# Altium PCB Discharge_B2.PcbDoc (part 1 of 2) (continued)
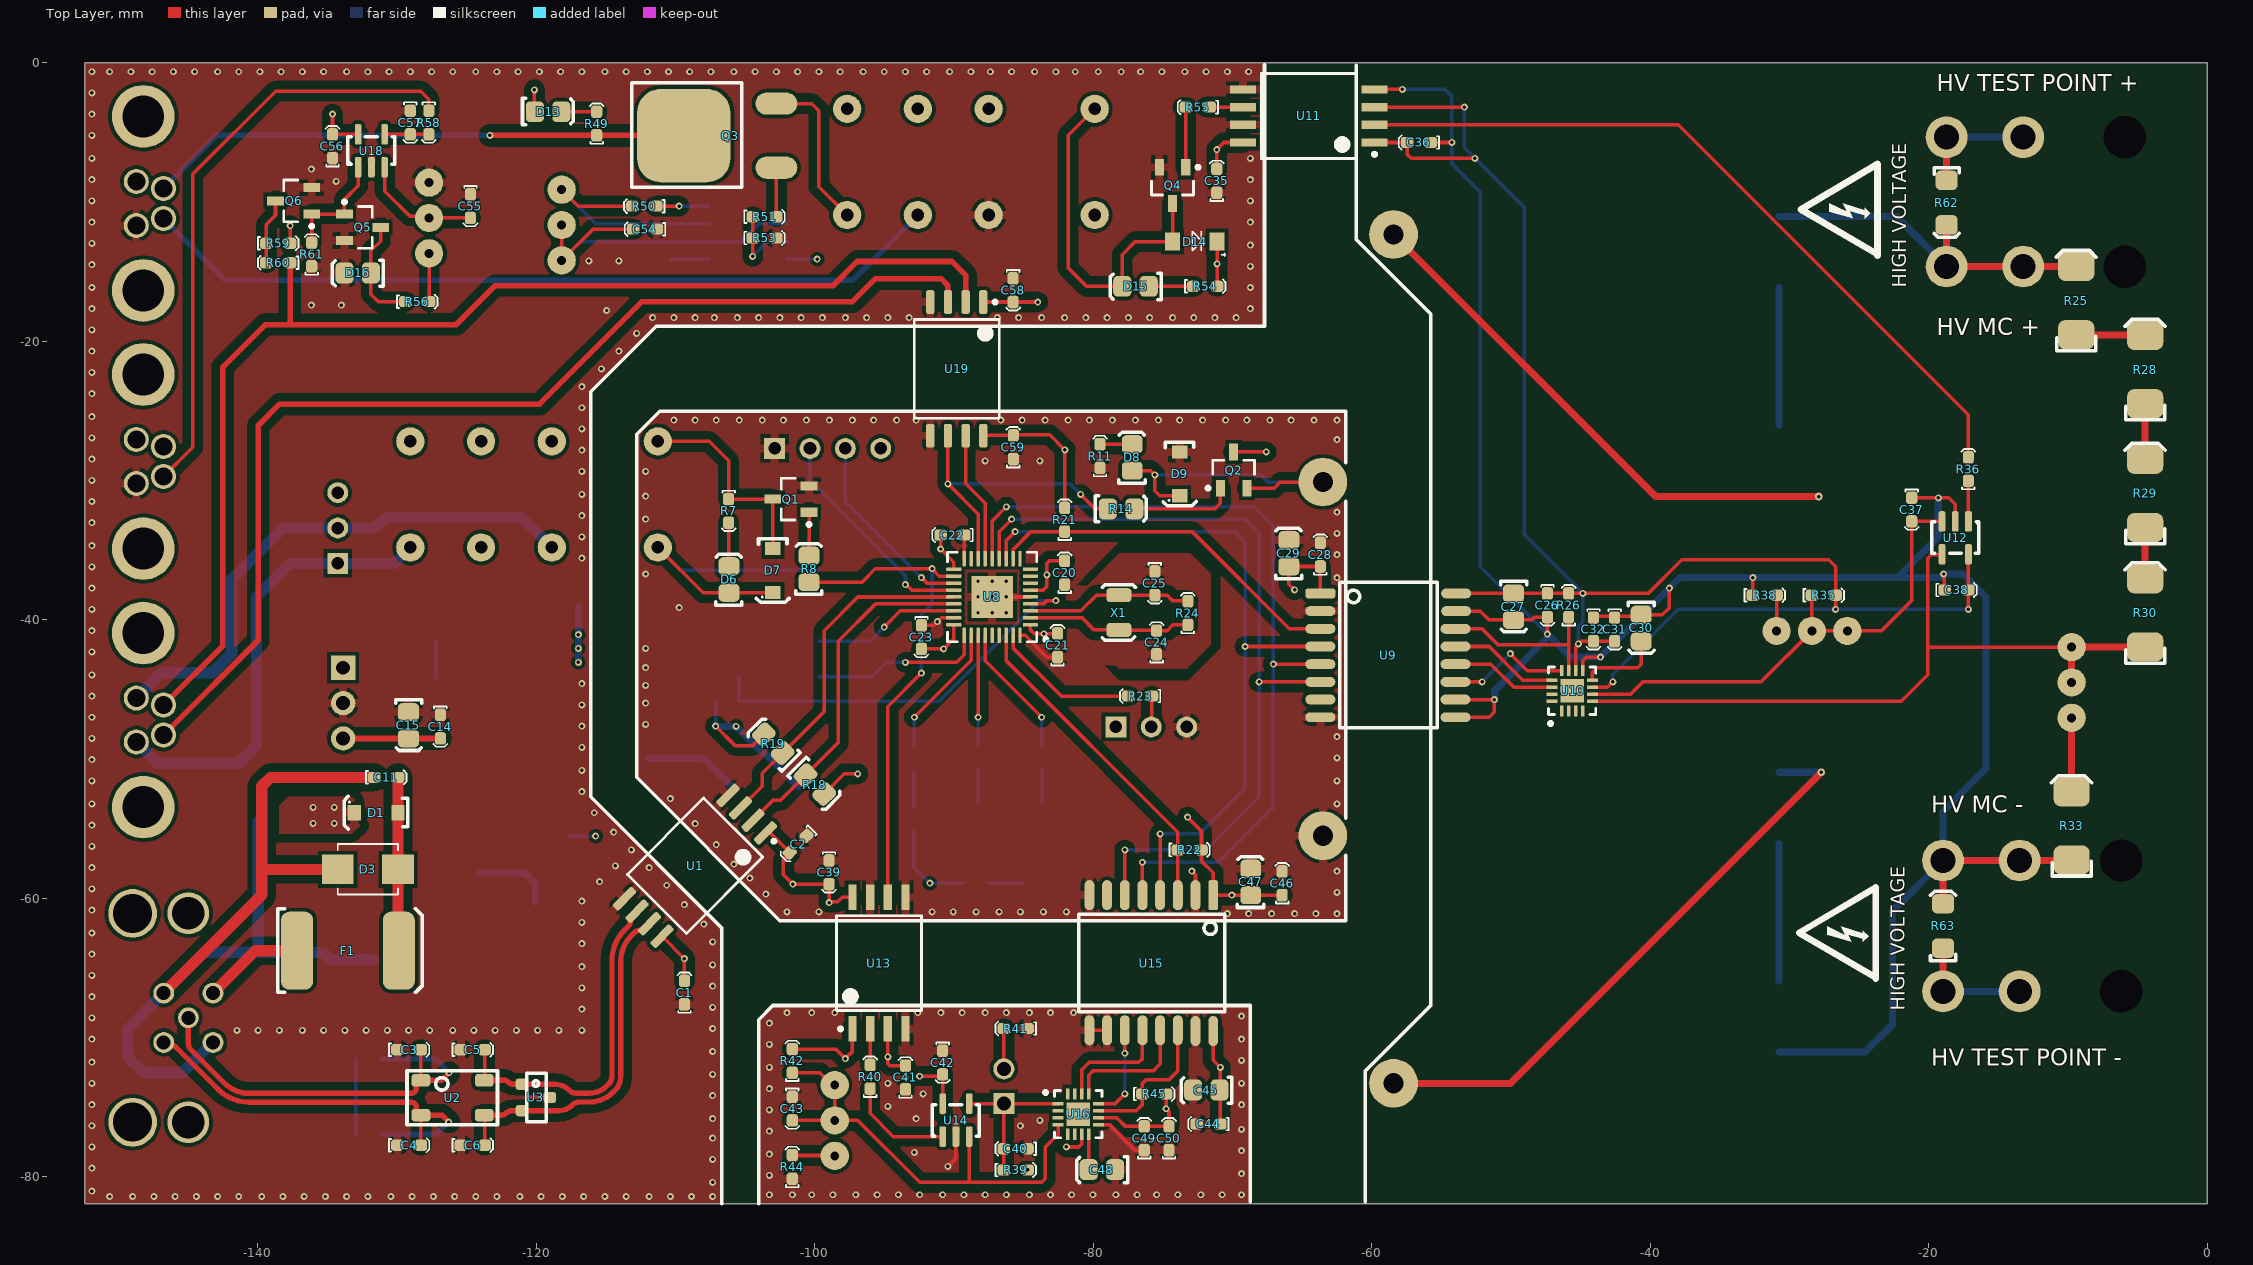
[diagram p0: Top Layer view]
## Classes and differential pairs
component class TopLevel: P1 P2 P3 P4 P5 P11 P12 P13 R62 R63
component class Isolation: C58 C59 U19
component class "5kW Circuit": C55 C56 C57 D16 Q5 Q6 R56 R57 R58 R59 R60 R61 U18
component class TSAL: C53 C54 D13 D14 D15 K2 K? Q3 Q4 R49 R50 R51 R52 R53 R54 R55 U17
component class "Safety Loop": D6 D7 K1 P6 Q1 R7 R8
component class "Power Supply": C8 C9 C10 C11 C12 C13 C14 C15 C19 D1 D2 D3 D4 D5 F1 L1 L2 R3 R5 R6 U4 U5 U6
component class PDOC: C39 C40 C41 C42 C43 C44 C45 C46 C47 C48 C49 C50 P10 "PDOC NTC1" R39 R40 R41 R42 R43 R44 R45 U13 U14 U15 U16
component class Microcontroller: C20 C21 C22 C23 C24 C25 D10 D11 D12 P7 P8 P9 R15 R16 R17 R18 R19 R20 R21 R22 R23 R24 U8 X1
component class "HV SENSE": C26 C27 C28 C29 C30 C31 C32 C35 C36 C37 C38 R25 R26 R28 R29 R30 R31 R33 R35 R36 R37 R38 U9 U10 U11 U12
component class Discharge: D8 D9 Q2 R9 R10 R11 R12 R13 R14 U7
component class CAN: C1 C2 C3 C4 C5 C6 C7 R1 R2 TP1 TP2 U1 U2 U3
differential pair CAN1_F: +CAN1_F_P -CAN1_F_N
differential pair CAN1: +CAN1_P -CAN1_N

## Components (designator, comment, footprint, x,y, rotation, side; value= is the part's Value field where it differs from the comment)
C1 "100nF" 0603 -109.347,-67.613 r90 top
C2 "100nF" 0603 -100.584,-55.499 r225 top
C3 "100pF" 0603 -129.97,-70.866 r0 top
C4 "100pF" 0603 -129.97,-77.724 r0 top
C5 "100pF" 0603 -125.398,-70.866 r0 top
C6 "100pF" 0603 -125.398,-77.724 r0 top
C7 "22uF" 0805 -132.016,-74.237 r180 bottom
C8 "10uF" 0805 -120.015,-61.214 r90 bottom
C9 "10uF" 0805 -128.116,-49.729 r180 bottom
C10 "100nF" 0603 -127.354,-46.863 r180 bottom
C11 "100nF" 0603 -131.615,-51.308 r0 top
C12 "100nF" 0603 -139.954,-54.483 r0 bottom
C13 "47uF" "CHEMI-CON ELCO" -137.795,-61.214 r90 bottom
C14 "100nF" 0603 -126.873,-46.814 r270 top
C15 "22uF" 0805 -129.138,-47.576 r270 top
C19 "4.7uF" "1206 CAP" -101.346,-52.324 r45 bottom
C20 "100nF" 0603 -82.042,-37.465 r90 top
C21 "100nF" 0603 -82.55,-42.672 r90 top
C22 "100nF" 0603 -89.249,-33.909 r180 top
C23 "100nF" 0603 -92.329,-40.386 r270 top
C24 "22pF" 0603 -75.438,-42.467 r90 top
C25 "22pF" 0603 -75.565,-36.521 r270 top
C26 "100nF" 0603 -47.371,-38.1 r270 top
C27 "10uF" 0805 -49.784,-39.062 r270 top
C28 "100nF" 0603 -63.678,-36.165 r90 top
C29 "10uF" 0805 -65.964,-35.203 r90 top
C30 "1µF" 0805 -40.614,-40.591 r270 top
C31 "100nF" 0603 -42.545,-39.829 r270 top
C32 "100nF" 0603 -44.069,-39.829 r270 top
C35 "100nF" 0603 -71.12,-9.32 r90 top
C36 "100nF" 0603 -55.753,-5.715 r180 top
C37 "100nF" 0603 -21.209,-31.231 r270 top
C38 "100nF" 0603 -18.845,-37.846 r0 top
C39 "100nF" 0603 -98.959,-57.277 r270 top
C40 "100nF" 0603 -84.709,-77.978 r180 top
C41 "100nF" 0603 -93.472,-73.709 r90 top
C42 "100nF" 0603 -90.805,-70.944 r270 top
C43 "100nF" 0603 -101.6,-74.246 r270 top
C44 "100nF" 0603 -70.866,-76.2 r180 top
C45 "10uF" 0805 -71.882,-73.787 r180 top
C46 "100nF" 0603 -66.421,-59.766 r90 top
C47 "10uF" 0805 -68.707,-58.804 r90 top
C48 "1µF" 0805 -79.375,-79.502 r180 top
C49 "100nF" 0603 -76.327,-78.076 r90 top
C50 "100nF" 0603 -74.549,-78.076 r90 top
C53 "100nF" 0603 -112.014,-14.097 r0 bottom
C54 "22pF" 0603 -111.33,-11.938 r180 top
C55 "100nF" 0603 -124.714,-9.435 r270 top
C56 "100nF" 0603 -134.62,-6.831 r90 top
C57 "10nF" 0603 -129.032,-3.431 r270 top
C58 "100nF" 0603 -85.743,-15.471 r270 top
C59 "100nF" 0603 -85.725,-28.448 r90 top
D1 "PMEG100T10ELR-QX" SODFL350X110-2N -131.49,-53.848 r0 top
D2 "Red" "0805 LED" -128.092,-44.196 r0 bottom
D3 "SM6T39CAY" SM6T39CAY-Footprint-1 -132.086,-57.912 r0 top
D4 "Red" "0805 LED" -118.515,-55.499 r180 bottom
D5 "Red" "0805 LED" -88.392,-58.928 r0 bottom
D6 "Green" "0805 LED" -106.172,-37.084 r90 top
D7 "PMEG100T10ELR-QX" SODFL350X110-2N -102.997,-36.449 r90 top
D8 "Green" "0805 LED" -77.216,-28.321 r90 top
D9 "PMEG100T10ELR-QX" SODFL350X110-2N -73.787,-29.515 r90 top
D10 "Yellow" "0805 LED" -92.837,-49.99 r90 bottom
D11 "Yellow" "0805 LED" -88.26,-54.102 r270 bottom
D12 "Yellow" "0805 LED" -83.693,-54.102 r270 bottom
D13 "Red" "0805 LED" -119.126,-3.481 r0 top
D14 "PMEG100T10ELR-QX" "NXP SOD123W" -72.695,-12.827 r180 top
D15 "Orange" "0805 LED" -76.966,-16.069 r180 top
D16 "Green" "0805 LED" -132.823,-15.113 r180 top
F1 "0ZCF0100AF2A" 2920 -137.16,-63.754 r0 top
K1 "V23105A5475A201" "TI 2-DIL" -120.142,-30.988 r180 bottom
K2 "V23105A5475A201" "TI 2-DIL" -88.773,-7.112 r180 bottom
L1 "12uH" 1812 -127.254,-53.848 r0 bottom
L2 "47 uH" 82473C -105.746,-51.517 r225 bottom
P1 "HPC-05PMMP-SF8001" T4145015041-001 -144.971,-68.573 r90 bottom
P2 "39300020" 39300020 -13.208,-5.334 r270 bottom
P3 "39300020" 39300020 -13.462,-66.675 r270 bottom
P4 "39300020" 39300020 -13.208,-14.622 r270 bottom
P5 "39300020" 39300020 -13.462,-57.277 r270 bottom
P6 "2.54mm" "TH 2.54mm Header 1x3" -134.239,-35.941 r90 bottom
P7 "2.54mm" "TH 2.54mm Header 2x5" -102.741,-39.069 r90 bottom
P8 "2.54mm" "TH 2.54mm Header 1x4" -102.87,-27.686 r0 bottom
P9 "2.54mm" "TH 2.54mm Header 1x3" -78.359,-47.689 r0 bottom
P10 "B2B-XH-A(LF)(SN)" "XH 2 PIN VERT" -86.536,-73.491 r90 bottom
P11 "M8S-04PFFR" M8S-04PFFR -146.759,-9.017 r270 bottom
P12 "M8S-04PFFR" M8S-04PFFR -146.759,-27.551 r270 bottom
P13 "M8S-04PFFR" M8S-04PFFR -146.759,-46.118 r270 bottom
Q1 "SQ2308CES-T1_GE3" "VSHY SOT-23-3" -101.697,-31.32 r180 top
Q2 "SQ2308CES-T1_GE3" "VSHY SOT-23-3" -69.911,-29.24 r90 top
Q3 "STD70N10F4" "STM TO-252 MOSFET" -109.743,-5.171 r270 top
Q4 "SQ2308CES-T1_GE3" "VSHY SOT-23-3" -74.295,-8.793 r270 top
Q5 "SQ2308CES-T1_GE3" "VSHY SOT-23-3" -132.461,-11.806 r0 top
Q6 "SQ2308CES-T1_GE3" "VSHY SOT-23-3" -137.414,-9.906 r180 top
R1 "56R" 0805 -131.992,-76.962 r0 bottom
R2 "56R" 0805 -132.016,-71.501 r180 bottom
R3 "20K" 0603 -128.854,-41.529 r0 bottom
R5 "2K" 0603 -117.753,-53.34 r180 bottom
R6 "1k" 0603 -83.312,-58.902 r180 bottom
R7 "1k" 0603 -106.172,-31.32 r270 top
R8 "100R" 0805 -100.423,-36.322 r90 top
R9 "PWR263S-35-1001J" "B TO-263" -40.937,-13.593 r270 bottom value=1k
R10 "PWR263S-35-1001J" "B TO-263" -40.937,-28.593 r270 bottom value=1k
R11 "1k" 0603 -79.502,-29.083 r90 top
R12 "PWR263S-35-1001J" "B TO-263" -40.937,-53.492 r270 bottom value=1k
R13 "PWR263S-35-1001J" "B TO-263" -40.937,-68.492 r270 bottom value=1k
R14 "100R" 0805 -77.978,-32.004 r0 top
R15 "500R" 0603 -92.863,-53.467 r270 bottom
R16 "500R" 0603 -88.249,-50.673 r90 bottom
R17 "500R" 0603 -83.693,-50.673 r90 bottom
R18 "5.1k" 0805 -99.949,-51.816 r315 top
R19 "5.1k" 0805 -102.997,-48.895 r135 top
R20 "10k" 0603 -105.41,-45.847 r180 bottom
R21 "1.2k" 0603 -82.042,-33.655 r90 top
R22 "1.2k" 0603 -73.914,-56.515 r0 top
R23 "10k" 0603 -75.77,-45.466 r180 top
R24 "10M" 0603 -73.196,-40.36 r90 top
R25 "330K" "VB 0207" -9.398,-17.272 r90 top
R26 "1.2k" 0603 -45.847,-39.8 r90 top
R28 "330K" "VB 0207" -4.445,-22.225 r90 top
R29 "330K" "VB 0207" -4.445,-31.115 r90 top
R30 "330K" "VB 0207" -4.445,-39.701 r90 top
R31 "10K (Var)" "B 3296" -9.169,-44.405 r90 bottom
R33 "10K" "VB 0207" -9.728,-54.991 r90 top
R35 "10k" 0603 -28.377,-38.227 r0 top
R36 "1k" 0603 -17.145,-30.021 r90 top
R37 "10K (Var)" "B 3296" -28.463,-40.234 r180 bottom
R38 "10k" 0603 -32.617,-38.227 r0 top
R39 "2K" 0603 -86.409,-79.502 r0 top
R40 "1k" 0603 -96.012,-73.66 r90 top
R41 "10k" 0603 -84.709,-69.342 r180 top
R42 "10k" 0603 -101.6,-72.517 r90 top
R43 "10K (Var)" "B 3296" -99.111,-76.032 r270 bottom
R44 "10k" 0603 -101.6,-80.137 r90 top
R45 "1.2k" 0603 -76.454,-74.041 r0 top
R49 "1k" 0603 -115.648,-5.207 r90 top
R50 "5.1k" 0603 -111.379,-10.287 r180 top
R51 "10R" 0603 -104.443,-11.049 r0 top
R52 "10K (Var)" "B 3296" -117.602,-11.557 r90 bottom
R53 "20K" 0603 -104.443,-12.573 r0 top
R54 "1k" 0603 -72.795,-16.043 r0 top
R55 "10R" 0603 -71.628,-3.175 r180 top
R56 "2K" 0603 -129.386,-17.145 r0 top
R57 "10K (Var)" "B 3296" -127.127,-11.049 r90 bottom
R58 "10k" 0603 -127.701,-3.431 r270 top
R59 "1k" 0603 -139.368,-12.954 r0 top
R60 "1k" 0603 -137.668,-14.351 r180 top
R61 "20K" 0603 -136.114,-14.605 r90 top
R62 "MMA02040C1503FB300" "VB 0204" -18.708,-10.033 r270 top value=150K
R63 "MMA02040C1503FB300" "VB 0204" -18.962,-61.976 r90 top value=150K
U1 "ISO1042" TI-SOIC-8 -108.585,-57.658 r225 top
U2 "B82787C0104H002" "TDK 4-PC Pad" -128.27,-73.065 r0 top value="100µH @ 100kHz"
U3 "NUP2105L" "ON SOT-23" -120.015,-74.295 r270 top
U4 "744272121" "Wurth 4-PC Pad" -124.079,-64.386 r180 bottom value="120uH @ 100kHz"
U5 "R-78C5.0-1.0" "RECOM 3-SIP" -133.858,-43.434 r270 bottom
U6 "R2S-053.3/P" "RECOM 8-SMD (5 Pin)" -115.697,-44.45 r0 bottom
U7 "3350-4275-056" "CI SPST" -63.5,-42.799 r90 bottom
U8 "STM32F103T8U6" STM_QFN-36 -87.249,-38.354 r180 top
U9 "ADUM5401" "AD 16-SOIC" -58.801,-43.815 r270 top
U10 "ADS7028" WFQN-16 -45.597,-45.089 r90 top
U11 "ADuM210N" SOIC-8W -64.516,-3.81 r180 top
U12 "TS391ILT" "ON SOT-23-5" -16.512,-31.956 r180 top
U13 "ADuM210N" SOIC-8W -95.377,-64.643 r90 top
U14 "TS391ILT" "ON SOT-23-5" -91.425,-78.078 r0 top
U15 "ADUM5401" "AD 16-SOIC" -77.089,-64.643 r180 top
U16 "ADS7028" WFQN-16 -81.063,-75.491 r0 top
U17 "NE555DR" "TI 8-SOIC" -111.658,-12.827 r180 bottom
U18 "TLV7031-Q1" "TI SOT-23-5" -132.776,-7.493 r0 top
U19 "ADuM225N" AD-SOIC-8W -89.789,-21.971 r270 top
X1 "32.768kHz" "EPSON 2-SMD" -78.149,-39.471 r90 top

## Footprints (in the part's own frame and the unit in brackets; to place one, negate y for a bottom-side part, rotate by r counter-clockwise, add the part's x,y. Pads: shape width x height; smd on the part's side, far side on the other; paste and mask are expansions set on the pad)
0603 [mm]
  rrect50% 0.9x0.8 smd: 1(0,0) 2(1.7,0)
  silkscreen extent -0.6,-0.5 2.3,0.5, body extent 0.05,-0.42 1.65,0.43, height 0.6
0805 [mm]
  rrect50% 1.3x1.5 smd: 1(-0.962,-0.026) 2(0.938,-0.026)
  silkscreen extent -1.85,-0.95 1.8,0.93, body extent -1,-0.65 1,0.66, height 0.73
"0805 LED" [mm]
  rrect50% 1.3x1.5 smd: A(-0.962,-0.026) K(0.938,-0.026)
  silkscreen extent -1.85,-0.95 1.8,0.93, body extent -1.09,-0.63 0.91,0.63, height 1
"1206 CAP" [mm]
  rrect50% 1.8x1.8 smd: 1(-2.81,0) 2(0.44,0)
  silkscreen extent -3.99,-1.09 1.62,1.09, body extent -2.75,-0.79 0.45,0.81, height 1.61
1812 [mm]
  rrect50% 2.2x3.5 smd: 1(-1.8,0) 2(1.8,0)
  silkscreen extent -3.25,-1.75 3.25,1.75, body extent -2.25,-1.6 2.25,1.6, height 2.5
2920 [mm]
  rrect50% 2.3x5.6 smd: 1(0,0) 2(7.3,0)
  silkscreen extent -1.4,-3 9,3, body extent -0.34,-2.81 7.64,2.81, height 1.14
82473C [mm]
  rrect50% 1.8x3.05 smd: 1(-2.81,0) 2(0.44,0)
  silkscreen extent -3.99,-1.68 1.62,1.73, body extent -2.81,-1.25 0.45,1.26, height 2
39300020 [mm]
  round 3 hole 1.8: 1(0,0) 2(0,5.5)
  round 1.524 hole 3.05: ""(0,-7.3)
  body extent -2.7,-13.97 3.1,5.97, height 11.4
"AD 16-SOIC" [mil]
  rrect50% 28x85 smd: 1(-225,-192.02)
  oval 28x85 smd: 2(-175,-192.02) 3(-125,-192.02) 4(-75,-192.02) 5(-25,-192.02) 6(25,-192.02) 7(75,-192.02) 8(125,-192.02) 9(125,190) 10(75,189.96) 11(25,189.96) 12(-25,189.96) 13(-75,189.96) 14(-125,189.96) 15(-175,191.98) 16(-225,191.98)
  silkscreen extent -257,-138 155,138, body extent -256,-209 156,209, height 104
AD-SOIC-8W [mm]
  rrect50% 1.7x0.6 smd: 1(-4.8,1.905) 2(-4.8,0.635) 3(-4.8,-0.635) 4(-4.8,-1.905) 5(4.8,-1.905) 6(4.8,-0.635) 7(4.8,0.635) 8(4.8,1.905)
  silkscreen extent -4.92,-3.05 3.55,3.05, body extent -5.16,-3.05 5.16,3.05, height 2.65
"B 3296" [mil]
  round 80 hole 25.2: 1(-103.39,-22) 2(-3.39,-22) 3(96.61,-22)
  silkscreen extent -193,-97 187,143, body extent -191,-97 184,143, height 455
"B TO-263" [mm]
  rrect50% 2x3.8 smd: 1(-2.55,-10.2) 2(2.55,-10.2)
  rrect50% 12.7x11.4 smd: ""(0,0)
  silkscreen extent -6.8,-10.56 6.75,6.1, body extent -5.19,-11.02 5.45,4.83, height 4.8
"CHEMI-CON ELCO" [mm]
  rect 3.55x1.85 smd: 1(-2.65,0) 2(2.65,0)
  silkscreen extent -4.43,-3.3 3.3,3.3, body extent -3.7,-3.4 3.7,3.4, height 6.1
"CI SPST" [mm]
  round 3.5 hole 1.45: 1(30.48,5.08) 2(12.7,0) 3(-12.7,0) 4(-30.48,5.08)
  silkscreen extent -38.73,-8.26 38.73,13.97, body extent -38.1,-4.45 38.1,13.34, height 20.57
"EPSON 2-SMD" [mm]
  rrect50% 1x1.8 smd: 1(-1.25,0) 2(1.25,0)
  silkscreen extent -2,-1.2 2,1.2, body extent -1.5,-1 1.5,1, height 1
M8S-04PFFR [mm]
  round 1.8 hole 1.3: 1(0,0) 2(2.15,0) 3(-0.5,1.95) 4(2.65,1.95)
  round 4.5 hole 3: MH1(-5.175,1.45) MH2(7.325,1.45)
  silkscreen extent -2.93,-0.3 5.07,-0.3, body extent -5.26,-0.51 7.54,19.64, height 12.85
"NXP SOD123W" [mm]
  rect 1.1x1.3 smd: A(1.6,0) K(-1.6,0)
  silkscreen extent -2.2,-0.73 0.2,1.04, body extent -1.75,-0.95 1.75,0.95, height 1.1
"ON SOT-23" [mm] "NUP2105L"
  rrect50% 0.8x0.9 smd: 1(-0.95,-1) 2(0.95,-1) 3(0,1)
  silkscreen extent -1.75,-0.65 1.75,0.75, body extent -1.5,-1.27 1.5,1.28, height 1
"ON SOT-23-5" [mil]
  rrect50% 19x58 smd: 1(24.61,38.39) 2(62.01,38.39) 3(99.41,38.39) 4(99.41,131.39) 5(24.61,131.39)
  silkscreen extent -5,39 128,128, body extent 2,27 122,145, height 57
"RECOM 3-SIP" [mm] "12 to 42 Vdc In, 9 Vdc Out"
  rect 1.75x1.75 hole 1: 1(0,0)
  round 1.75 hole 1: 2(2.54,0) 3(5.08,0)
  silkscreen extent -3.5,-2 8.5,6.5, body extent -3.26,-2.02 8.34,6.48, height 11.41
"RECOM 8-SMD (5 Pin)" [mm]
  rrect50% 1.2x2.4 smd: 1(-3.81,-5.4) 2(-1.27,-5.4) 4(3.81,-5.4) 5(3.81,5.5) 8(-3.81,5.5)
  silkscreen extent -6.5,-4 6.5,4, body extent -6.38,-5.55 6.38,5.55, height 9.2
SM6T39CAY-Footprint-1 [mm]
  rect 2.28x2.12 smd: A(2.165,0) K(-2.165,0)
  silkscreen extent -2.16,-1.81 2.16,1.81, body extent -2.79,-1.98 2.79,1.98, height 2.64
SODFL350X110-2N [mm] "SODFL, 2-Leads, Body 1.70x3.50mm, IPC Medium Density"
  rect 0.95x1.1 smd: A(1.575,0) K(-1.575,0)
  silkscreen extent -2.29,-1.19 2.28,1.18, body extent -1.75,-0.95 1.75,0.95, height 1.1
SOIC-8W [mm]
  rect 1.85x0.6 smd: 1(-4.725,1.905) 2(-4.725,0.635) 3(-4.725,-0.635) 4(-4.725,-1.905) 5(4.725,-1.905) 6(4.725,-0.635) 7(4.725,0.635) 8(4.725,1.905)
  silkscreen extent -4.85,-3.05 3.4,3.05, body extent -5.16,-3.05 5.16,3.05, height 2.65
"STM TO-252 MOSFET" [mm]
  rrect50% 6.7x6.7 smd: D(0.05,0.35)
  oval 1.6x3 smd: G(2.35,7) S(-2.25,7)
  silkscreen extent -3.75,-3.4 3.75,4.5, body extent -3.33,-2.67 3.39,7.75, height 2.39
STM_QFN-36 [mm]
  rrect50% 1.1x0.25 smd: 1(-2.75,2) 2(-2.75,1.5) 3(-2.75,1) 4(-2.75,0.5) 5(-2.75,0) 6(-2.75,-0.5) 7(-2.75,-1) 8(-2.75,-1.5) 9(-2.75,-2) 19(2.75,-2) 20(2.75,-1.5) 21(2.75,-1) 22(2.75,-0.5) 23(2.75,0) 24(2.75,0.5) 25(2.75,1) 26(2.75,1.5) 27(2.75,2)
  rrect50% 0.25x1.1 smd: 10(-2,-2.75) 11(-1.5,-2.75) 12(-1,-2.75) 13(-0.5,-2.75) 14(0,-2.75) 15(0.5,-2.75) 16(1,-2.75) 17(1.5,-2.75) 18(2,-2.75) 28(2,2.75) 29(1.5,2.75) 30(1,2.75) 31(0.5,2.75) 32(0,2.75) 33(-0.5,2.75) 34(-1,2.75) 35(-1.5,2.75) 36(-2,2.75)
  rect 3x3 smd: 37(0,0)
  silkscreen extent -3.99,-3.21 3.21,3.21, body extent -3.08,-3.08 3.08,3.08, height 1
T4145015041-001 [mm]
  round 1.5 hole 1: 1(-1.77,1.77) 2(1.77,1.77) 3(1.77,-1.77) 4(-1.77,-1.77) 5(0,0)
  round 3.5 hole 2.8: 15(-7.5,-4) 15(7.5,-4)
  round 3 hole 2.35: 15(-7.5,0) 15(7.5,0)
  body extent -9.75,-23 9.75,3, height 16
"TDK 4-PC Pad" [mm]
  rrect50% 1.35x0.9 smd: 1(0,-2.5) 2(0,0) 3(4.55,0) 4(4.55,-2.5)
  silkscreen extent -1,-3.2 5.5,0.7, body extent -0.02,-2.82 4.48,0.38, height 2.8
"TH 2.54mm Header 1x3" [mm]
  rect 1.5x1.5 hole 0.9: 1(0,0)
  round 1.5 hole 0.9: 2(2.54,0) 3(5.08,0)
  silkscreen extent -1.27,-1.27 6.35,1.27, body extent -1.27,-1.27 6.35,1.27, height 9.5
"TH 2.54mm Header 1x4" [mm]
  rect 1.5x1.5 hole 0.9: 1(0,0)
  round 1.5 hole 0.9: 2(2.54,0) 3(5.08,0) 4(7.62,0)
  silkscreen extent -1.27,-1.27 8.89,1.27, body extent -1.27,-1.27 8.89,1.27, height 9.5
"TH 2.54mm Header 2x5" [mm]
  rrect50% 1.25x4.75 smd: 1(-5,-2.704) 2(-5,3.046) 3(-2.46,-2.704) 4(-2.46,3.046) 5(0.08,-2.704) 6(0.08,3.046) 7(2.62,-2.704) 8(2.62,3.046) 9(5.16,-2.704) 10(5.16,3.046)
"TI 2-DIL" [mil]
  round 80 hole 35.43: 1(-350,-150) 4(-50,-150) 6(150,-150) 8(350,-150) 9(350,150) 11(150,150) 13(-50,150) 16(-350,150)
  silkscreen extent -400,-200 400,200, body extent -398,-197 398,197, height 450
"TI 8-SOIC" [mm]
  oval 1.4x0.6 smd: 1(-9.677,2.54) 2(-9.677,1.27) 3(-9.677,0) 4(-9.677,-1.27) 5(-4.089,-1.27) 6(-4.089,0) 7(-4.089,1.27) 8(-4.089,2.54)
  silkscreen extent -8.74,-1.78 -5.03,3.18, body extent -9.96,-1.87 -3.76,3.14, height 1.76
"TI SOT-23-5" [mil]
  rrect50% 19x58 smd: 1(0,0) 2(37.4,0) 3(74.8,0) 4(74.8,93) 5(0,93)
  silkscreen extent -30,8 103,86, body extent -23,-12 97,106, height 57
TI-SOIC-8 [mm]
  rrect50% 1.95x0.6 smd: 1(-5.25,1.905) 2(-5.25,0.635) 3(-5.25,-0.635) 4(-5.25,-1.905) 5(5.25,-1.905) 6(5.25,-0.635) 7(5.25,0.635) 8(5.25,1.905)
  silkscreen extent -5.37,-3 3.88,3, body extent -5.75,-3 5.75,3, height 2.8
"VB 0204" [mm]
  rrect50% 1.4x1.6 smd: 1(-1.6,0) 2(1.6,0)
  silkscreen extent -2.5,-0.9 2.5,0.9, body extent -1.8,-0.7 1.8,0.7, height 1.4
"VB 0207" [mm]
  rrect50% 2.1x2.6 smd: 1(-2.25,0) 2(2.65,0)
  silkscreen extent -3.4,-1.45 3.8,1.45, body extent -2.7,-1.1 3.1,1.1, height 2.19
"VSHY SOT-23-3" [mm] "SOT23, 3-Leads, Body 2.92x2.37mm, Pitch 0.95mm, IPC Low Density"
  rect 1.2x0.65 smd: D(1.3,0) G(-1.3,0.95) S(-1.3,-0.95)
  silkscreen extent -1.43,-1.5 0.7,1.95, body extent -1.32,-1.52 1.32,1.52, height 1.12
WFQN-16 [mm]
  rect 0.8x0.25 smd: 1(-1.45,0.75) 2(-1.45,0.25) 3(-1.45,-0.25) 4(-1.45,-0.75) 9(1.45,-0.75) 10(1.45,-0.25) 11(1.45,0.25) 12(1.45,0.75)
  rect 0.25x0.8 smd: 5(-0.75,-1.45) 6(-0.25,-1.45) 7(0.25,-1.45) 8(0.75,-1.45) 13(0.75,1.45) 14(0.25,1.45) 15(-0.25,1.45) 16(-0.75,1.45)
  rect 1.68x1.68 smd: 17(0,0)
  silkscreen extent -2.47,-1.7 1.7,1.7, body extent -1.6,-1.6 1.6,1.6, height 0.8
"Wurth 4-PC Pad" [mm]
  rrect50% 2.7x2.7 smd: 1(7.62,6.22) 2(0,6.22) 3(0,0) 4(7.62,0)
  silkscreen extent -1.7,-1.8 9.4,8, body extent -1.19,-1.24 8.81,7.46, height 6.2
"XH 2 PIN VERT" [mm]
  round 1.508 hole 1: 1(1.25,0.127)
  rect 1.508x1.508 hole 1: 2(-1.25,0.127)
  silkscreen extent -3.7,-3.3 3.7,3.71, body extent -3.61,-3.24 3.61,2.6, height 7.21

## Part data
C1 C2 C10 C11 C12 C14 C20 C21 C22 C23 C26 C28 C31 C32 C35 C36 C37 C38 C39 C40 C41 C42 C43 C44 C46 C49 C50 C53 C55 C56 C58 C59: library part GCM188L81H104KA57D, Digikey Part Number=490-6049-1-ND, Manufacturer=muRata, Rated Voltage=50V, Temperature Rating=X8L, Tolerance=±10%, Material=MLCC, Part Number=GCM188L81H104KA57D
C3 C4 C5 C6: library part GRM1885C1H101JA01D, Digikey Part Number=490-1427-1-ND, Manufacturer="Murata Electronics", Rated Voltage=50V, Temperature Rating="C0G, NP0", Tolerance=±5%, Material=MLCC, Part Number=GRM1885C1H101JA01D
C7 C15: library part GRM21BR61A226ME51L, Digikey Part Number=490-10511-1-ND, Manufacturer=muRata, Rated Voltage=10V, Temperature Rating=X5R, Tolerance=20%, Material=MLCC, Part Number=GRM21BR61A226ME51L
C8 C9 C27 C29 C45 C47: library part GRM21BR6YA106KE43L, Digikey Part Number=490-10514-6-ND, Manufacturer=muRata, Rated Voltage=50V, Temperature Rating=X5R, Tolerance=10%, Material=MLCC, Part Number=GRM21BR6YA106KE43L
C13: library part HHXA350ARA470MF61G, Part Number=HHXA350ARA470MF61G
C19: library part GRM31CR71H475KA12K, Digikey Part Number=490-GRM31CR71H475KA12KTR-ND, Manufacturer="Murata Electronics", Rated Voltage=50V, Temperature Rating=X7R, Tolerance=±10%, Material=MLCC, Part Number=GRM31CR71H475KA12K
C24 C25 C54: library part GRM0335C1H220JA01D, Digikey Part Number=490-6123-1-ND, Manufacturer="Murata Electronics", Rated Voltage=50V, Temperature Rating="C0G, NP0", Tolerance=±5%, Material=MLCC, Part Number=GRM0335C1H220JA01D
C30 C48: library part GCM21BR71H105KA03L, Digikey Part Number=490-10675-1-ND, Manufacturer=muRata, Rated Voltage=50V, Temperature Rating=X7R, Tolerance=±10%, Material=MLCC, Part Number=GCM21BR71H105KA03L
C57: library part GCM188L81H103KA03D, Digikey Part Number=490-GCM188L81H103KA03DCT-ND, Manufacturer=muRata, Rated Voltage=50V, Temperature Rating=X8L, Tolerance=±10%, Material=MLCC, Part Number=GCM188L81H103KA03D
D1 D7 D9: library part CMP-004-00005-4, "Diode 100 V 1A Surface Mount SOD-123W"
D2 D4 D5 D13: library part SML-210LTT86, "Red LED Indication - Discrete 1.75V 0805 (2012 Metric)", Digikey Part Number=511-1286-1-ND, Manufacturer="ROHM Semiconductor", Colour=Red, Part Number=SML-210LTT86
D3: library part CMP-004-00003-4, "TVS Diode Single Bi-Dir 33.3V 600W Automotive 2-Pin SMB T/R / TVS DIODE 33.3VWM 69.7VC SMB", Breakdown Voltage=39V, Case/Package=DO-214AA, Clamping Voltage=53.9V, Leakage Current=200nA, Max Breakdown Voltage=41V, Max Operating Temperature=150°C, Max Power Dissipation=600W, Max Surge Current=11.1A, Min Breakdown Voltage=37.1V, Min Operating Temperature=-55°C, Operating Supply Voltage=30V, Package Quantity=1, Peak Pulse Current=57A, Power Line Protection=No, Resistor Type=Zener, Reverse Standoff Voltage=33.3V, Test Current=1mA, Diode Type=ZENER, Direction=Bidirectional, Element Configuration=Single, Height=2.45mm, Length=4.6mm, Max Reverse Leakage Current=200nA, Mount="Surface Mount", Number of Bidirectional Channels=1, Number of Channels=1, Number of Elements=1, Number of Pins=2, Packaging="Tape and Reel", Peak Pulse Power=600W, Polarity=Bidirectional, Radiation Hardening=No, REACH SVHC="No SVHC", Reverse Breakdown Voltage=37.1V, RoHS Compliant=Yes, Series="Automotive, AEC-Q101, SM6TY, TRANSIL™", Termination=SMD/SMT, Width=3.95mm
D6 D8 D16: library part SML-210FTT86, "Green LED Indication - Discrete 1.75V 0805 (2012 Metric)", Digikey Part Number=511-1285-1-ND, Manufacturer="ROHM Semiconductor", Colour=Green, Part Number=SML-210FTT86
D10 D11 D12: library part SML-211YTT86, "Yellow LED Indication - Discrete 1.75V 0805 (2012 Metric)", Digikey Part Number=511-1293-1-ND, Manufacturer="ROHM Semiconductor", Colour=Yellow, Part Number=SML-211YTT86
D14: Breakdown Voltage="100 V", Digikey Part Number=1727-PMEG100T10ELR-QXCT-ND, Forward Voltage="0.75 V @ 1A", Manufacturer="Nexperia USA Inc.", Rated Power="680 mW", Part Number=PMEG100T10ELR-QX
D15: library part SML-211DTT86, "Orange LED Indication - Discrete 1.75V 0805 (2012 Metric)", Digikey Part Number=511-1291-1-ND, Manufacturer="ROHM Semiconductor", Colour=Orange, Part Number=SML-211DTT86
F1: "PTC RESET FUSE 60V 1A 292", Digikey Part Number=507-2070-1-ND, Manufacturer="Littelfuse Inc.", Digikey Link=https://www.digikey.com/product-detail/en/bel-fuse-inc/0ZCF0100AF2A/507-2070-1-ND/6210547, Part Number=0ZCF0100AF2A
K1 K2: library part CMP-036-000001-1, "5V DPDT Relay 3A 220VDC", Part Number=V23105A5475A201
L1: library part RLS-126, Digikey Part Number=945-3429-ND, Manufacturer=Recom, Rated Current="0.8 A", Tolerance=0.2, Impedance=230mOhm, Material=Wirewound, Part Number=RLS-126
L2: library part 82473C, Digikey Part Number=811-2477-2-ND, Manufacturer="Murata Power Solutions Inc.", Rated Current=250mA, Tolerance=0.1, Impedance="1.69 Ohms", Material=Wirewound, Part Number=82473C
P1: library part T4145015041-001, "M12 NMEA 2000 Header", Angle=90, Contact="Copper Alloy", Flange=Yes, Part Number=T4145015041-001, Positions=5
P2 P3 P4 P5: Digikey Part Number=WM21351-ND, Angle=90, Contact=Tin, Flange=No, Part Number=39300020, Pitch=4.2mm, Positions=2, Row Spacing=5.5mm
P6 P9: library part "TH 2.54mm Header 1x3", Angle=0, Contact=NA, Flange=No, Part Number="TH 2.54mm Header 1x3", Pitch=2.54mm, Positions=3, Row Spacing=2.54mm
P7: library part "SMD 2.54mm Header 2x5", Angle=0, Contact=NA, Flange=No, Part Number="SMD 2.54mm Header 2x5", Pitch=2.54mm, Positions=10, Row Spacing=2.54mm
P8: library part "TH 2.54mm Header 1x4", Angle=0, Contact=NA, Flange=No, Part Number="TH 2.54mm Header 1x4", Pitch=2.54mm, Positions=4, Row Spacing=2.54mm
P10: Digikey Part Number=455-2247-ND, Angle=0, Contact=Tin, Digikey Link=https://www.digikey.com.au/en/products/detail/jst-sales-america-inc/B2B-XH-A-LF-SN/1651045, Flange=No, Part Number=B2B-XH-A(LF)(SN), Pitch=2.54mm, Positions=2, Row Spacing=2.54mm
P11 P12 P13: "M12 4-Pin PCB Header", Angle=90, Contact="Copper Alloy", Flange=Yes, Part Number=M8S-04PFFR, Positions=4
Q1 Q2 Q4 Q5 Q6: "MOSFET N-CH 60V 2.3A SOT23", Digikey Part Number=SQ2308CES-T1_GE3CT-ND, Manufacturer="Vishay Siliconix", Rated Power=2W, LatestRevisionDate=29-May-2009, LatestRevisionNote="IPC-7351 Footprint Added.", PackageDescription="4-Pin SOT-343 Package 1.3 mm Pitch, 2.1 mm Lead Span", PackageReference=SOT-343, PackageVersion=Sep-2000, Part Number=SQ2308CES-T1_GE3, Published=24-Mar-1999, Publisher="Altium Limited", Type=N-channel
Q3: "N-Channel 100V 60A (Tc) 125W (Tc) Surface Mount DPAK", Digikey Part Number=497-8806-2-ND, Manufacturer=STMicroelectronics, Rated Power=125W, LatestRevisionDate=29-May-2009, LatestRevisionNote="IPC-7351 Footprint Added.", PackageDescription="4-Pin SOT-343 Package 1.3 mm Pitch, 2.1 mm Lead Span", PackageReference=SOT-343, PackageVersion=Sep-2000, Part Number=STD70N10F4, Published=24-Mar-1999, Publisher="Altium Limited", Type=N-channel
R1 R2: library part RC0805FR0756RL, Digikey Part Number=311-56.0CRCT-ND, Manufacturer=YAGEO, Rated Power=0.125W, Tolerance=0.01, Material=FR-07, Part Number=RC0805FR0756RL
R3 R53 R61: library part RC0603FR-0720KL, Digikey Part Number=311-20.0KHRCT-ND, Manufacturer=YAGEO, Rated Power=0.1W, Tolerance=0.01, Material=FR-07, Part Number=RC0603FR-0720KL
R5 R39 R56: library part RC0603FR-072KL, Digikey Part Number=311-2.00KHRCT-ND, Manufacturer=YAGEO, Rated Power=0.1W, Tolerance=0.01, Material=FR-07, Part Number=RC0603FR-072KL
R6 R7 R11 R36 R40 R49 R54 R59 R60: library part RC0603FR-071KL, Digikey Part Number=311-1.00KHRCT-ND, Manufacturer=YAGEO, Rated Power=0.1W, Tolerance=0.01, Material=FR-07, Part Number=RC0603FR-071KL
R8 R14: library part RC0805FR07100RL, Digikey Part Number=311-100CRCT-ND, Manufacturer=YAGEO, Rated Power=0.125W, Tolerance=0.01, Material=FR-07, Part Number=RC0805FR07100RL
R9 R10 R12 R13: library part CMP-037-000402-1, Digikey Part Number=PWR263S-35-1001J-ND, Manufacturer="Bournes Inc", Rated Voltage=35W, Tolerance=0.05, Part Number=PWR263S-35-1001J
R15 R16 R17: library part RT0603BRD07500RL, Digikey Part Number=13-RT0603BRD07500RL-ND, Manufacturer=YAGEO, Rated Power=0.1W, Tolerance=0.01, Material=FR-07, Part Number=RT0603BRD07500RL
R18 R19: library part RC0805FR075K1L, Digikey Part Number=311-5.10KCRCT-ND, Manufacturer=YAGEO, Rated Power=0.125W, Tolerance=0.01, Material=FR-07, Part Number=RC0805FR075K1L
R20 R23 R35 R38 R41 R42 R44 R58: library part RC0603FR-0710KL, Digikey Part Number=311-10.0KHRCT-ND, Manufacturer=YAGEO, Rated Power=0.1W, Tolerance=0.01, Material=FR-07, Part Number=RC0603FR-0710KL
R21 R22 R26 R45: library part RC0603JR-071K2L, Digikey Part Number=311-1.2KGRCT-ND, Manufacturer=YAGEO, Rated Power=0.1W, Tolerance=0.01, Material=FR-07, Part Number=RC0603JR-071K2L
R24: library part RC0603FR-1310ML, Digikey Part Number=13-RC0603FR-1310MLCT-ND, Manufacturer=YAGEO, Rated Power=0.1W, Tolerance=0.01, Material=FR-07, Part Number=RC0603FR-1310ML
R25 R28 R29 R30: library part MMB02070C3303FB200, Digikey Part Number=MMB-330KBCT-ND, Manufacturer="Vishay Beyschlag", Rated Power=1W, Tolerance=0.01, Part Number=MMB02070C3303FB200
R31 R37 R43 R52 R57: library part 3296W-1-103LF, Digikey Part Number=3296W-103LF-ND, Manufacturer="Bournes Inc", Rated Power=0.5W, Tolerance=0.1, Part Number=3296W-1-103LF
R33: library part MMB02070C1003FB200, Digikey Part Number=MMB-10KBCT-ND, Manufacturer="Vishay Beyschlag", Rated Power=1W, Tolerance=0.01, Part Number=MMB02070C1003FB200
R50: library part RC0603JR-075K1L, Digikey Part Number=311-5.1KGRCT-ND, Manufacturer=YAGEO, Rated Power=0.1W, Tolerance=0.01, Material=FR-07, Part Number=RC0603JR-075K1L
R51 R55: library part RC0603FR-0710RL, Digikey Part Number=311-10.0HRCT-ND, Manufacturer=YAGEO, Rated Power=0.1W, Tolerance=0.01, Material=FR-07, Part Number=RC0603FR-0710RL
R62 R63: library part CMP-037-000426-1, Digikey Part Number=MMA-150KACT-ND, Manufacturer="Vishay Beyschlag", Rated Voltage=0.4W, Tolerance=0.01, Part Number=MMA02040C1503FB300
U1: "IC CAN TRANSCEIVER 1/1 8SOIC", Digikey Part Number=296-ISO1042BQDWVQ1-ND, Manufacturer="Texas Instruments", Part Number=ISO1042
U2: Digikey Part Number=495-4598-1-ND, Manufacturer="EPCOS (TDK)", Rated Current=150mA, Impedance="5.8 kOhms @ 10MHz", Material=Wirewound, Part Number=B82787C0104H002
U3: "Dual Line CAN Bus Protector", Digikey Part Number=NUP2105LT1GOSCT-ND, Manufacturer="ON Semiconductor", Digikey Link=https://www.digikey.com/product-detail/en/on-semiconductor/NUP2105LT1G/NUP2105LT1GOSCT-ND/1485001, Part Number=NUP2105L
U4: Digikey Part Number=732-1489-1-ND, Manufacturer="Wurth Electronics Inc", Rated Current="2.5 A", Impedance="460 Ohms @ 30MHz", Material=Wirewound, Part Number=744272121
U5: "CONV DC/DC 1A 5V OUT SIP VERT", Digikey Part Number=945-1395-5-ND, Input Voltage="8 to 42 V", Manufacturer=Recom, Output Current="1.0 A", Output Voltage=5V, Part Number=R-78C5.0-1.0
U6: "Isolated Module DC DC Converter 1 Output 3.3V 606mA 4.5V - 5.5V Input", Digikey Part Number=945-2677-5-ND, Input Voltage=4.5V-5.5V, Manufacturer=Recom, Output Current=606mA, Output Voltage=3.3V, Part Number=R2S-053.3/P
U7: library part CMP-035-000005-1, "RELAY REED HV SPST 200W 3A 5V (NC)", Part Number=3350-4275-056
U8: "ARM® Cortex®-M3 STM32F1 Microcontroller IC 32-Bit 72MHz 64KB (64K x 8) FLASH QFN", Manufacturer="ST Microelectronics", Digikey Link=https://www.digikey.com/en/products/detail/stmicroelectronics/stm32f103t8u6/1852493, Digikey Part Number=STM32F103T8U6, Part Number=STM32F103T8U6
U9 U15: "Quad Channel 2.5kV Digital Isolator with isoPower", Manufacturer="Analogue Devices", Part Number=ADUM5401
U10 U16: library part ADS7028IRTER, "IC ADC 12BIT SAR 16WQFN", Manufacturer="Texas Instruments", Digikey Link=https://www.digikey.com.au/en/products/detail/texas-instruments/ADS7028IRTER/12696020?s=N4IgTCBcDaIIIBEDKB2ADGAHASQEoBUBRXEAXQF8g, Digikey Part Number=ADS7028IRTER, Part Number=ADS7028IRTER
U11 U13: library part CMP-110-000007-1, "DIGITAL ISOLATOR, SINGLE CHANNEL", Digikey Link=#https://www.analog.com/media/en/technical-documentation/data-sheets/ADuM210N.pdf#, Part Number=ADuM210N
U12 U14: library part CMP-022-000013-1, "IC COMP LO PWR SGL V SOT 23-5L", Part Number=TS391ILT
U17: library part CMP-022-000003-1, "IC OSC SGL TIMER 100KHZ 8-SOIC", Part Number=NE555DR
U18: Digikey Part Number=296-TLV7031QDBVRQ1CT-ND, Input Voltage="1.6 to 6.5 V", Manufacturer="Texas Instruments", Channels=1, Output=Push-Pull, Part Number=TLV7031-Q1
U19: "DIGITAL ISOLATOR, DUAL CHANNEL", Manufacturer="Analogue Devices", Part Number=ADuM225N
X1: library part "FC-135 32.7680KA-A5", Digikey Part Number=SER4103TR-ND, Load Capacitance=12.5pF, Manufacturer=EPSON, Digikey Link=https://www.digikey.com/product-detail/en/epson/FC-135-32.7680KA-A5/SER4103TR-ND/5259895, ESR=70k, Part Number="FC-135 32.7680KA-A5"

## Via types
v1: diameter 0.5, hole 0.25, Top Layer to Bottom Layer, 464 vias
v2: diameter 0.55, hole 0.25, Top Layer to Bottom Layer, 2 vias

## Nets (pads, with @x,y where several pads share a name; then routed paths per layer and width w, separated by ;. In a path a pad name is that pad's centre, name@x,y a point inside that pad or via, vN(x,y) a via of type N, cw(c..) or ccw(c..) an arc to the next point about the centre after c; other vN are vias at no path point)
0V: C1.1 C3.1 C4.1 C5.1 C6.1 C7.1 C8.1 C9.1 C10.1 C14.1 C15.1 C35.1 C53.1 C54.1 C55.1 C56.1 C57.1 C58.1 D16.K K2.4 P11.4 P12.4 Q4.S Q5.S Q6.S R3.1 R5.1 R53.2 R57.3 R61.1 U1.5 U3.3 U4.3 U5.2 U6.1 U11.5 U11.7 U17.1 U18.2 U19.4 | length 1.6
  Top Layer w0.254: -120.65,-74.295 U3.3@-119.015,-74.295 ; v1@-107.317,-67.815 -107.315,-67.817 v1(-107.315,-67.818)
  other v1: -150.622,-81.407 -148.971,-81.407 -147.447,-81.407 -145.923,-81.407 -144.399,-81.407 -142.875,-81.407 -141.351,-81.407 -139.7,-81.407 -138.176,-81.407 -136.652,-81.407 -135.128,-81.407 -133.604,-81.407 -132.08,-81.407 -130.429,-81.407 -128.905,-81.407 -127.381,-81.407 -125.857,-81.407 -124.333,-81.407 -122.809,-81.407 -121.158,-81.407 -119.634,-81.407 -118.11,-81.407 -116.586,-81.407 -115.062,-81.407 -113.538,-81.407 -111.887,-81.407 -110.363,-81.407 -108.839,-81.407 -107.315,-81.407 -151.892,-81.026 -107.315,-80.391 -151.892,-79.375 -107.315,-78.74 -151.892,-77.851 -107.315,-77.216 -151.892,-76.327 -107.315,-75.819 -151.892,-74.803 -107.315,-74.168 -151.892,-73.279 -107.315,-72.644 -151.892,-71.755 -107.315,-70.993 -151.892,-70.104 -141.478,-69.469 -139.954,-69.469 -138.43,-69.469 -136.779,-69.469 -135.255,-69.469 -133.731,-69.469 -132.207,-69.469 -130.683,-69.469 -129.159,-69.469 -127.635,-69.469 -125.984,-69.469 -124.46,-69.469 -122.936,-69.469 -121.412,-69.469 -119.888,-69.469 -118.364,-69.469 -116.713,-69.469 -107.315,-69.342 -151.892,-68.58 -116.713,-67.945 -151.892,-67.056 -116.713,-66.421 -107.315,-66.294 -151.892,-65.532 -116.713,-64.897 -107.315,-64.77 -151.892,-64.008 -116.713,-63.246 -107.315,-63.119 -151.892,-62.484 -107.95,-61.849 -116.713,-61.722 -151.892,-60.833 -109.347,-60.452 -116.713,-60.198 -151.892,-59.309 -110.617,-59.055 -115.443,-58.801 -151.892,-57.785 -111.887,-57.785 -114.3,-57.658 -113.157,-56.515 -151.892,-56.261 -114.427,-55.245 -151.892,-54.737 -115.824,-53.848 -151.892,-53.213 -116.713,-52.324 -151.892,-51.562 -116.713,-50.8 -151.892,-50.038 -116.713,-49.149 -151.892,-48.514 -116.713,-47.625 -151.892,-46.99 -116.713,-46.101 -151.892,-45.466 -116.713,-44.577 -151.892,-43.942 -151.892,-42.291 -151.892,-40.767 -151.892,-39.243 -151.892,-37.719 -151.892,-36.195 -116.713,-35.56 -151.892,-34.671 -116.713,-34.036 -151.892,-33.02 -116.713,-32.512 -151.892,-31.496 -116.713,-30.988 -151.892,-29.972 -116.713,-29.337 -151.892,-28.448 -116.713,-27.813 -151.892,-26.924 -116.713,-26.289 -151.892,-25.4 -116.713,-24.765 -151.892,-23.749 -116.713,-23.241 -151.892,-22.225 -115.316,-21.971 -151.892,-20.701 -114.046,-20.701 -112.776,-19.431 -151.892,-19.177 -111.633,-18.288 -110.109,-18.288 -108.585,-18.288 -107.188,-18.288 -105.537,-18.288 -104.013,-18.288 -102.489,-18.288 -100.965,-18.288 -99.441,-18.288 -97.79,-18.288 -96.266,-18.288 -94.742,-18.288 -93.218,-18.288 -86.868,-18.288 -85.344,-18.288 -83.693,-18.288 -82.042,-18.288 -80.518,-18.288 -78.994,-18.288 -77.47,-18.288 -75.946,-18.288 -74.295,-18.288 -72.771,-18.288 -71.247,-18.288 -69.723,-18.288 -114.935,-17.78 -151.892,-17.653 -68.707,-17.653 -136.144,-17.399 -133.985,-17.399 -151.892,-16.129 -68.707,-16.129 -68.707,-14.605 -151.892,-14.478 -116.205,-14.224 -114.046,-14.224 -68.707,-13.081 -151.892,-12.954 -151.892,-11.43 -68.707,-11.43 -151.892,-9.906 -68.707,-9.906 -134.366,-8.509 -151.892,-8.382 -68.707,-8.382 -136.144,-7.62 -151.892,-6.858 -68.707,-6.858 -151.892,-5.207 -151.892,-3.683 -151.892,-2.159 -151.892,-0.635 -150.622,-0.635 -149.098,-0.635 -147.574,-0.635 -146.05,-0.635 -144.526,-0.635 -142.875,-0.635 -141.351,-0.635 -139.827,-0.635 -138.303,-0.635 -136.779,-0.635 -135.255,-0.635 -133.604,-0.635 -132.08,-0.635 -130.556,-0.635 -129.032,-0.635 -127.508,-0.635 -125.984,-0.635 -124.333,-0.635 -122.809,-0.635 -121.285,-0.635 -119.761,-0.635 -118.237,-0.635 -116.713,-0.635 -115.062,-0.635 -113.538,-0.635 -112.014,-0.635 -110.49,-0.635 -108.966,-0.635 -107.442,-0.635 -105.791,-0.635 -104.267,-0.635 -102.743,-0.635 -101.219,-0.635 -99.695,-0.635 -98.171,-0.635 -96.52,-0.635 -94.996,-0.635 -93.472,-0.635 -91.948,-0.635 -90.297,-0.635 -88.773,-0.635 -87.376,-0.635 -85.852,-0.635 -84.201,-0.635 -82.677,-0.635 -81.28,-0.635 -79.629,-0.635 -77.978,-0.635 -76.581,-0.635 -75.057,-0.635 -73.406,-0.635 -71.882,-0.635 -70.358,-0.635 -68.834,-0.635
0V_(ISO): C2.1 C19.1 C20.1 C21.1 C22.1 C23.1 C24.1 C25.1 C28.2 C29.2 C39.1 C46.2 C47.2 C59.1 D9.A D11.K D12.K P7.5 P7.6 P8.1 P9.3 Q1.S R6.1 R11.1 U1.4 U6.4 U7.3 U8.5 U8.18 U8.26 U8.36 U8.37 U9.2 U9.8 U13.5 U13.7 U15.2 U15.8 U19.5 | length 11.9
  Top Layer w0.254: C23.1@-92.329,-40.386 -91.44,-40.386 -90.908,-39.854 U8.26@-89.999,-39.854 ; U8.18@-89.249,-35.604 C22.1@-89.249,-33.909 ; v1(-87.249,-38.354) U8.5@-84.499,-38.354 ; U8.36@-85.249,-41.104 -84.88,-41.104 -83.288,-42.696 C21.1@-82.829,-42.696 ; v1(-72.898,-58.039) -72.898,-58.051 -72.644,-58.305 U15.2@-72.644,-59.766
  other v1: -70.358,-61.087 -68.834,-61.087 -67.183,-61.087 -65.532,-61.087 -64.008,-61.087 -62.484,-61.087 -101.981,-60.96 -99.695,-60.96 -91.567,-60.96 -90.043,-60.96 -88.392,-60.96 -86.741,-60.96 -85.217,-60.96 -83.566,-60.96 -81.915,-60.96 -103.505,-59.69 -62.484,-59.563 -104.648,-58.547 -62.484,-58.039 -105.791,-57.531 -107.061,-56.134 -108.578,-54.635 -62.484,-53.213 -110.363,-52.832 -62.484,-51.562 -62.484,-49.911 -62.484,-48.387 -112.141,-47.498 -112.141,-45.974 -112.141,-44.704 -112.141,-43.434 -112.141,-42.037 -91.174,-40.12 -88.265,-39.497 -87.249,-39.497 -86.233,-39.497 -109.728,-39.116 -88.265,-38.354 -86.233,-38.354 -88.265,-37.211 -87.249,-37.211 -86.233,-37.211 -62.484,-36.957 -112.141,-36.703 -62.484,-35.306 -62.484,-33.782 -112.141,-32.766 -62.484,-32.258 -112.141,-31.115 -112.141,-29.337 -87.757,-28.575 -83.82,-28.575 -62.484,-27.051 -110.109,-25.654 -108.585,-25.654 -107.061,-25.654 -105.41,-25.654 -103.759,-25.654 -102.235,-25.654 -100.584,-25.654 -98.933,-25.654 -97.282,-25.654 -95.758,-25.654 -94.107,-25.654 -92.71,-25.654 -86.614,-25.654 -85.09,-25.654 -83.439,-25.654 -81.788,-25.654 -80.264,-25.654 -78.613,-25.654 -76.962,-25.654 -75.311,-25.654 -73.787,-25.654 -72.136,-25.654 -70.485,-25.654 -68.961,-25.654 -67.31,-25.654 -65.786,-25.654 -64.135,-25.654 -62.484,-25.654